# Altium PCB motordriver-v5.1_willem.PcbDoc (part 1 of 6) (continued)
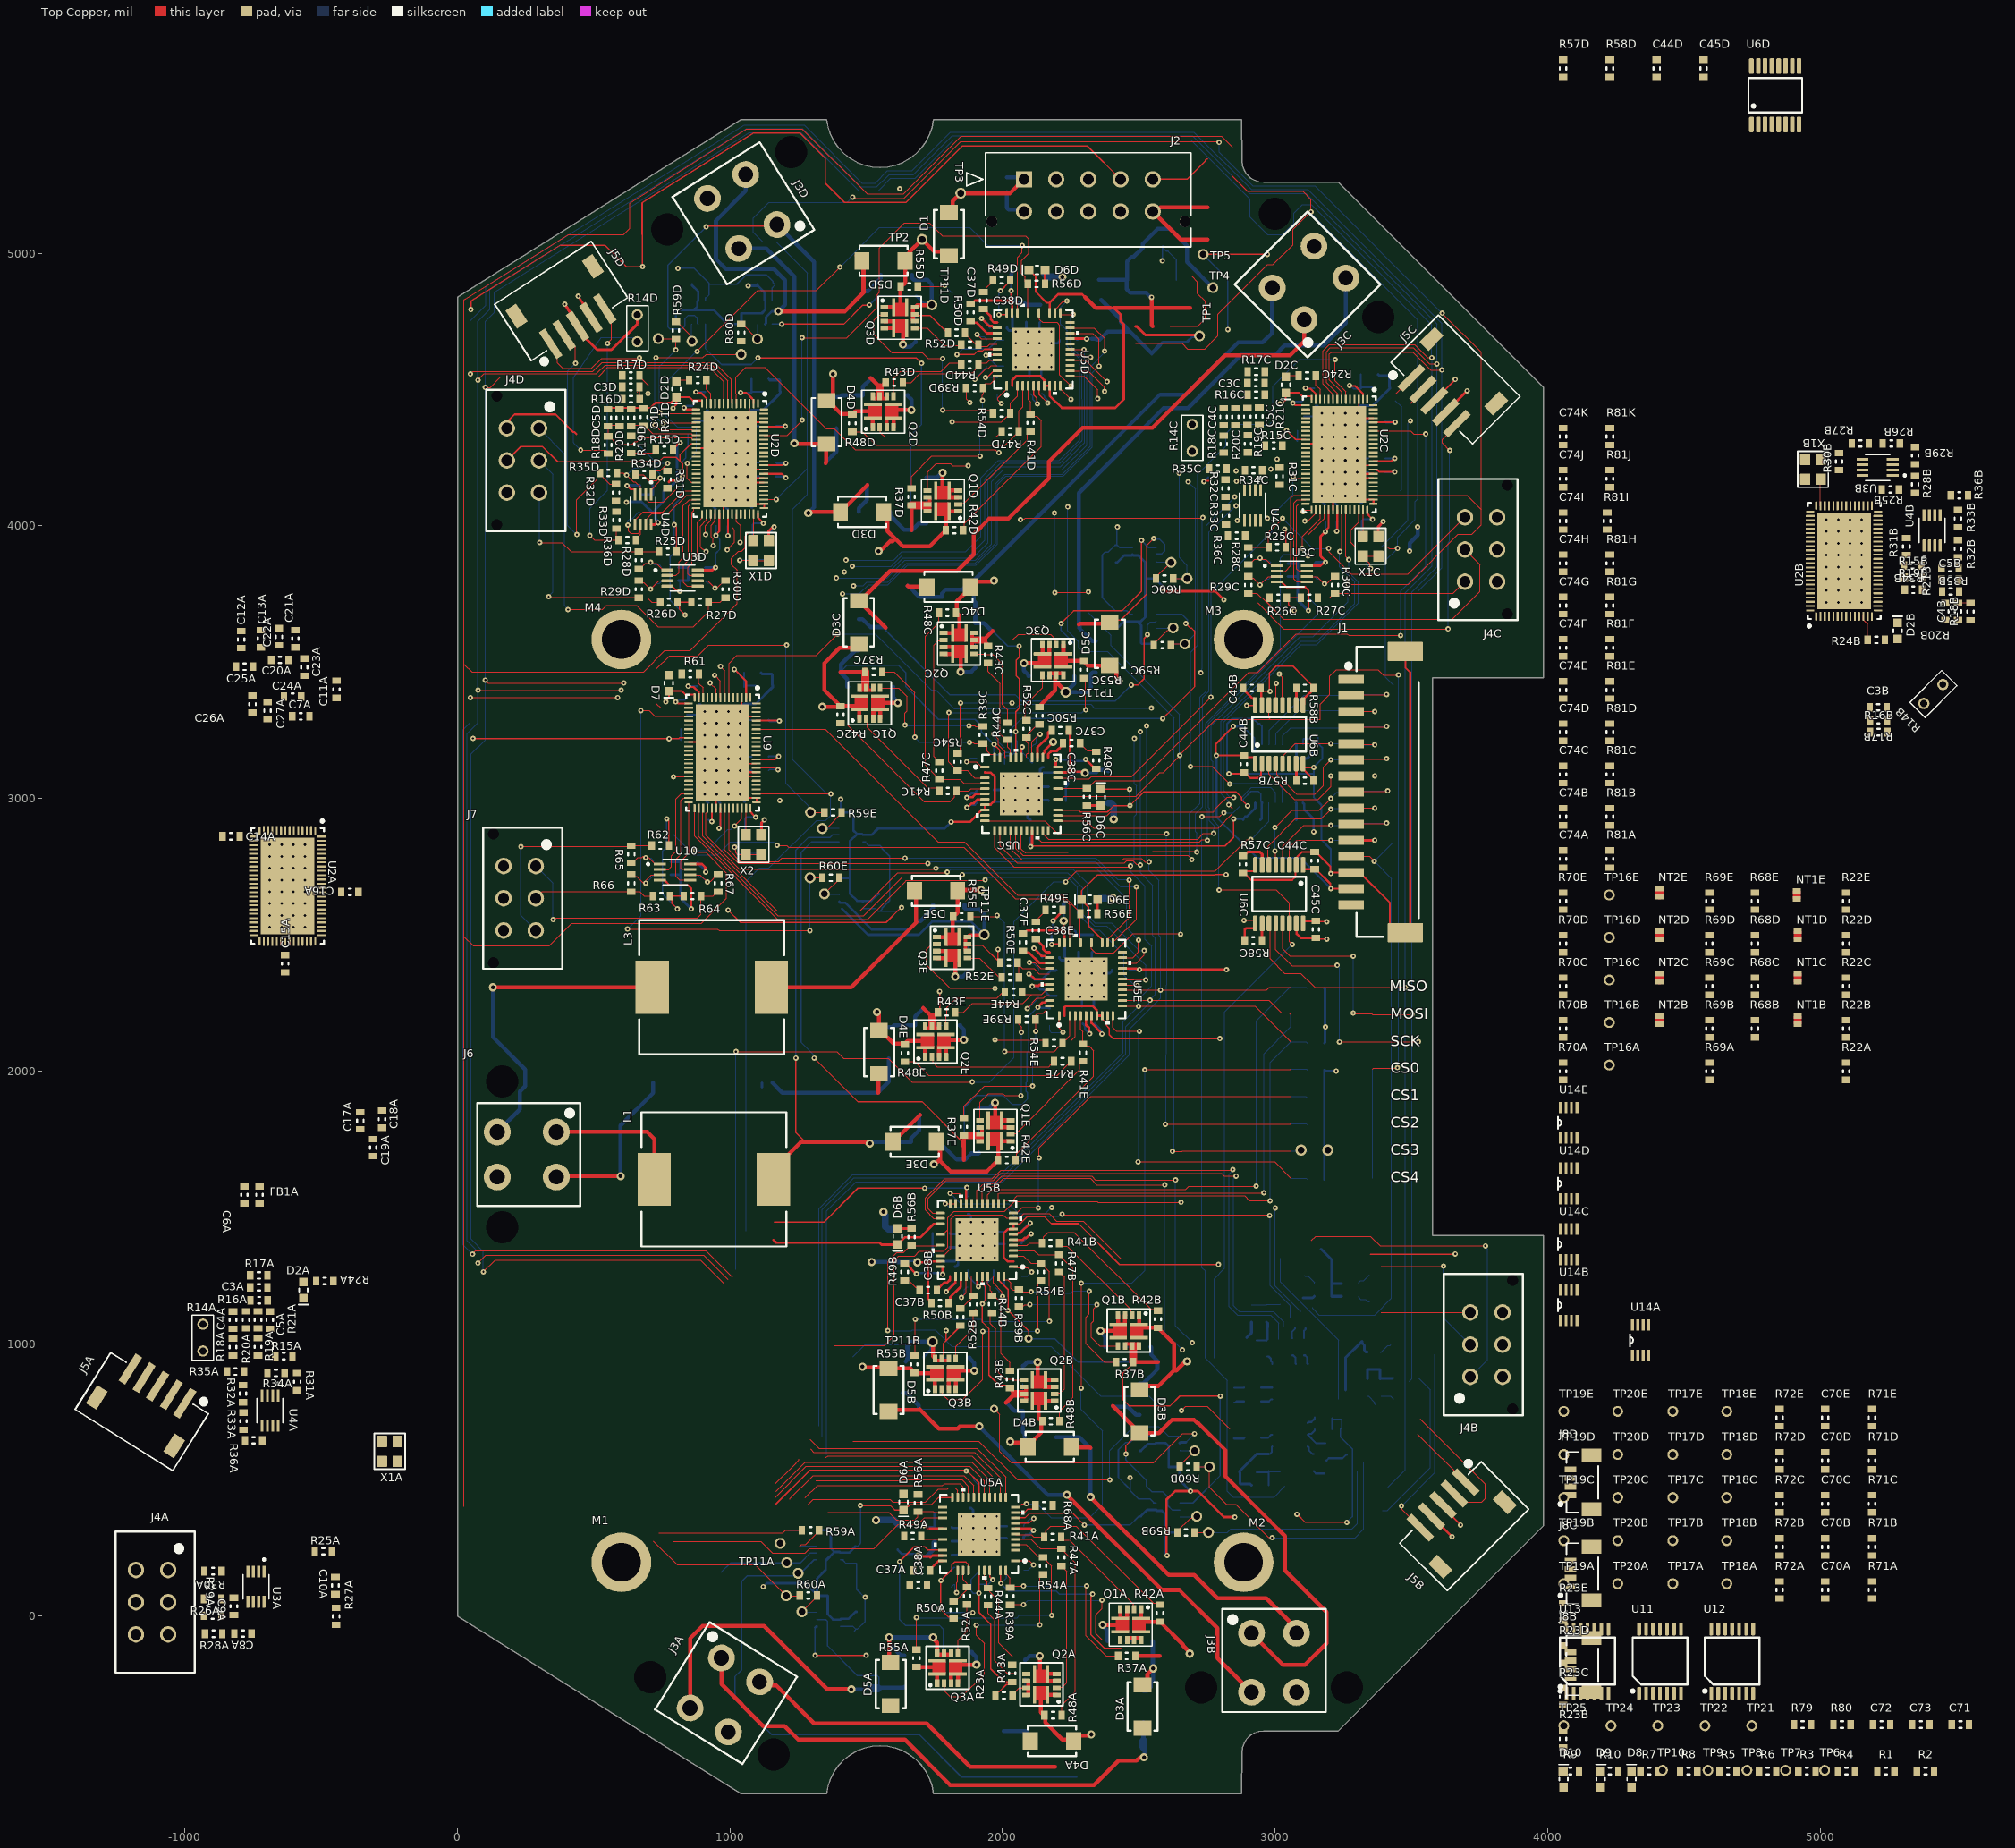
[diagram p0: Top Copper view]
## Design rules (kind name [scope] priority, off if disabled: settings) (continued)
RoomDefinition "Driver Power Stage 4" [InComponentClass('Driver Power Stage 4')] p18: confinementstyle=ConfineIn formatcopy=TRUE lockcomponents=FALSE outline 1468.5,1594.49 2519.68,1594.49 2519.68,2728.35 1468.5,2728.35
RoomDefinition "Current Amplification 3" [InComponentClass('Current Amplification 3')] p19: confinementstyle=ConfineIn formatcopy=TRUE lockcomponents=FALSE outline 1191.26,4917.84 1191.26,4602.88 766.06,4602.88 766.06,4917.84
RoomDefinition "Trinamic Controller 2" [InComponentClass('Trinamic Controller 2')] p20: confinementstyle=ConfineIn formatcopy=TRUE lockcomponents=FALSE outline 3460.63,4602.36 2744.09,4602.36 2744.09,3665.35 3460.63,3665.35
RoomDefinition "Trinamic Controller 1" [InComponentClass('Trinamic Controller 1')] p21: confinementstyle=ConfineIn formatcopy=TRUE lockcomponents=FALSE outline 2830.71,433.07 3547.24,433.07 3547.24,1370.08 2830.71,1370.08
RoomDefinition "Trinamic Controller 0" [InComponentClass('Trinamic Controller 0')] p22: confinementstyle=ConfineIn formatcopy=TRUE lockcomponents=FALSE outline 1224.41,1267.72 507.87,1267.72 507.87,330.71 1224.41,330.71
RoomDefinition "Driver Power Stage 0" [InComponentClass('Driver Power Stage 0')] p23: confinementstyle=ConfineIn formatcopy=TRUE lockcomponents=FALSE outline 2656.41,-536.5 2656.41,514.68 1522.55,514.68 1522.55,-536.5
RoomDefinition "Driver Power Stage 1" [InComponentClass('Driver Power Stage 1')] p24: confinementstyle=ConfineIn formatcopy=TRUE lockcomponents=FALSE outline 2648.54,542.24 2648.54,1593.42 1514.68,1593.42 1514.68,542.24
RoomDefinition "Driver Power Stage 2" [InComponentClass('Driver Power Stage 2')] p25: confinementstyle=ConfineIn formatcopy=TRUE lockcomponents=FALSE outline 1326.77,3854.33 1326.77,2803.15 2460.63,2803.15 2460.63,3854.33
RoomDefinition "LP Filter 8" [InComponentClass('LP Filter 8')] p26: confinementstyle=ConfineIn formatcopy=TRUE lockcomponents=FALSE outline 4032,4121 4032,3971 4339,3971 4339,4121
RoomDefinition "Current Amplification 0" [InComponentClass('Current Amplification 0')] p27: confinementstyle=ConfineIn formatcopy=TRUE lockcomponents=FALSE outline 1496.06,-74.8 1181.1,-74.8 1181.1,350.39 1496.06,350.39
RoomDefinition "Current Amplification 1" [InComponentClass('Current Amplification 1')] p28: confinementstyle=ConfineIn formatcopy=TRUE lockcomponents=FALSE outline 2472.44,696.85 2787.4,696.85 2787.4,271.65 2472.44,271.65
RoomDefinition "Current Amplification 2" [InComponentClass('Current Amplification 2')] p29: confinementstyle=ConfineIn formatcopy=TRUE lockcomponents=FALSE outline 2385.83,3956.69 2700.79,3956.69 2700.79,3531.5 2385.83,3531.5
RoomDefinition "Current Amplification 4" [InComponentClass('Current Amplification 4')] p30: confinementstyle=ConfineIn formatcopy=TRUE lockcomponents=FALSE outline 1578.74,2559.05 1263.78,2559.05 1263.78,2984.25 1578.74,2984.25
RoutingVias [All] p1: holewidth=19.68 width=39.37 viastyle="Through Hole" minholewidth=7.87 minwidth=17.72 maxholewidth=39.37 maxwidth=78.74
SilkToSilkClearance [All] p1: silktosilkclearance=3.94
SilkToSolderMaskClearance [IsPad] p1: minsilkscreentomaskgap=3.94 clearancetoexposedcopper=TRUE
SolderMaskExpansion [All] p1: expansion=4 istentingtop=FALSE
Width [All] p1: maxlimit=100 minlimit=3.5 preferedwidth=15
24 further rules are at their usual default settings.

## Classes and differential pairs
channel class trinamic-controller: "Trinamic Controller 0" "Trinamic Controller 1" "Trinamic Controller 2" "Trinamic Controller 3"
channel class low-pass-filter: "LP Filter 0" "LP Filter 1" "LP Filter 2" "LP Filter 3" "LP Filter 4" "LP Filter 5" "LP Filter 6" "LP Filter 7" "LP Filter 8" "LP Filter 9" "LP Filter 10"
channel class isolation: U_isolation_0 U_isolation_1 U_isolation_2 U_isolation_3
channel class driver-power-stage: "Driver Power Stage 0" "Driver Power Stage 1" "Driver Power Stage 2" "Driver Power Stage 3" "Driver Power Stage 4"
channel class demux: "Demux 0" "Demux 1" "Demux 2" "Demux 3" "Demux 4"
channel class current_amplification: "Current Amplification 0" "Current Amplification 1" "Current Amplification 2" "Current Amplification 3" "Current Amplification 4"
channel class connectors: "Connectors 0" "Connectors 1" "Connectors 2" "Connectors 3"
component class U_isolation_3: C44D C45D R57D R58D U6D
component class Power: C1 C2 D1 D8 D9 D10 J2 R11 R12 R13 TP6 TP7 TP8 TP9 TP10 U1
component class "LP Filter 10": C74K R81K
component class "LP Filter 9": C74J R81J
component class "LP Filter 8": C74I R81I
component class "LP Filter 7": C74H R81H
component class "LP Filter 6": C74G R81G
component class "LP Filter 5": C74F R81F
component class "LP Filter 4": C74E R81E
component class "LP Filter 3": C74D R81D
component class "LP Filter 2": C74C R81C
component class "LP Filter 1": C74B R81B
component class "LP Filter 0": C74A R81A
component class "Demux 4": U14E
component class "Demux 3": U14D
component class "Demux 2": U14C
component class "Demux 1": U14B
component class "Demux 0": U14A
net class HIGHFREQ: MOSI_ISO SCK_ISO UHA UHB UHC UHD UHE ULA ULB ULC ULD ULE VHB VHC VHD VHE VLA VLB VLC VLD VLE WHA WHB WHC WHD WHE WLA WLB WLC WLD WLE
net class Signals: 2.5V_REFA 2.5V_REFB 2.5V_REFC 2.5V_REFD 2.5V_REFE ADC_VM_E ADC_VMA ADC_VMB ADC_VMC ADC_VMD CHIP_TEMPA CHIP_TEMPB CHIP_TEMPC CHIP_TEMPD CHIP_TEMPE CLK_ENA CLK_ENB CLK_ENC CLK_END CLK_ENE CLKA CLKB CLKC CLKD CLKE CPI_CAPA CPI_CAPB CPI_CAPC CPI_CAPD CPI_CAPE CPIA CPIB CPIC CPID CPIE CPOA CPOB CPOC CPOD CPOE CS0 CS0_FILTER CS0_ISO CS1 CS1_FILTER CS1_ISO CS2 CS2_FILTER CS2_ISO CS3 CS3_FILTER CS3_ISO CS4 CS4_FILTER CS4_ISO CTRL_C\S\ CTRL_C\S\A CTRL_C\S\B CTRL_C\S\C CTRL_C\S\D CTRL_EN CTRL_EN_FILTER CTRL_EN_ISO CUA CUB CUC CUD CUE CUR_OUT1A CUR_OUT1B CUR_OUT1C CUR_OUT1D CUR_OUT1E CUR_OUT2A CUR_OUT2B CUR_OUT2C CUR_OUT2D CUR_OUT2E CUR_UA CUR_UB CUR_UC CUR_UD CUR_UE CUR_WA CUR_WB CUR_WC CUR_WD CUR_WE CVA CVB CVC CVD CVE CWA CWB CWC CWD CWE D\B\G\S\P\I\_\C\S\_E DBGSPI.DBGSPI_MISO DBGSPI.DBGSPI_MOSI DBGSPI.DBGSPI_SCK DBGSPI.DBGSPI_TRG DBGSPI.~DBGSPI_CS DBGSPI_MISO_E DBGSPI_MISOB DBGSPI_MISOC DBGSPI_MISOD DBGSPI_MOSI_E DBGSPI_MOSIB DBGSPI_MOSIC DBGSPI_MOSID DBGSPI_SCK_E DBGSPI_SCKB DBGSPI_SCKC DBGSPI_SCKD DBGSPI_TRG_E DBGSPI_TRGB DBGSPI_TRGC DBGSPI_TRGD DRB_TEMP DRV_C\S\A DRV_C\S\B DRV_C\S\C DRV_C\S\D DRV_C\S\E DRV_EN DRV_ENA DRV_ENB DRV_ENC DRV_END ENC_A_CTRLA ENC_A_CTRLB ENC_A_CTRLC ENC_A_CTRLD ENC_AA ENC_AB ENC_AC ENC_AD ENC_B_CTRLA ENC_B_CTRLB ENC_B_CTRLC ENC_B_CTRLD ENC_BA ENC_BB ENC_BC ENC_BD ENC_N_CTRLA ENC_N_CTRLB ENC_N_CTRLC ENC_N_CTRLD ENC_TRIG1A ENC_TRIG1B ENC_TRIG1C ENC_TRIG1D ENC_TRIG2A ENC_TRIG2B ENC_TRIG2C ENC_TRIG2D ENC_TRIG3A ENC_TRIG3B ENC_TRIG3C ENC_TRIG3D ENCA_N ENCB_N ENCC_N ENCD_N FAULT FAULTA FAULTB FAULTC FAULTD HALL_TRIG1A HALL_TRIG1B HALL_TRIG1C HALL_TRIG1D HALL_TRIG1E HALL_TRIG2A HALL_TRIG2B HALL_TRIG2C HALL_TRIG2D HALL_TRIG2E HALL_TRIG3A HALL_TRIG3B HALL_TRIG3C HALL_TRIG3D HALL_TRIG3E HALL_UX4 HALL_UX_CTRL_E HALL_UX_CTRLA HALL_UX_CTRLB HALL_UX_CTRLC HALL_UX_CTRLD HALL_UXA HALL_UXB HALL_UXC HALL_UXD HALL_V4 HALL_V_CTLR_E HALL_V_CTLRA HALL_V_CTLRB HALL_V_CTLRC HALL_V_CTLRD HALL_VA HALL_VB HALL_VC HALL_VD HALL_WY4 HALL_WY_CTRL_E HALL_WY_CTRLA HALL_WY_CTRLB HALL_WY_CTRLC HALL_WY_CTRLD HALL_WYA HALL_WYB HALL_WYC HALL_WYD HSG1A HSG1B HSG1C HSG1D HSG1E HSG2A HSG2B HSG2C HSG2D HSG2E HSG3A HSG3B HSG3C HSG3D HSG3E HSUA HSUB HSUC HSUD HSUE HSVA HSVB HSVC HSVD HSVE HSWA HSWB HSWC HSWD HSWE LED LEDA LEDB LEDC LEDD LSG1A LSG1B LSG1C LSG1D LSG1E LSG2A LSG2B LSG2C LSG2D LSG2E LSG3A LSG3B LSG3C LSG3D LSG3E LSUA LSUB LSUC LSUD LSUE LSVA LSVB LSVC LSVD LSVE LSWA LSWB LSWC LSWD LSWE MISO MISO_CTRL0 MISO_CTRL1 MISO_CTRL2 MISO_CTRL3 MISO_CTRL4 MISO_DRV0 MISO_DRV1 MISO_DRV2 MISO_DRV3 MISO_DRV4 MISO_FILTER MISO_ISO MOSI MOSI_FILTER MOSI_ISO MOTOR_TEMPA MOTOR_TEMPB MOTOR_TEMPC MOTOR_TEMPD MUX_SEL_0 MUX_SEL_1 MUX_SEL_FILTER_0 MUX_SEL_FILTER_1 MUX_SEL_ISO_0 MUX_SEL_ISO_1 OUT2E OUT3D OUT4B OUT4C OUT4D SCK_FILTER SCK_ISO SNUB1A SNUB1B SNUB1C SNUB1D SNUB1E SNUB2A SNUB2B SNUB2C SNUB2D SNUB2E SNUB3A SNUB3B SNUB3C SNUB3D SNUB3E SPEA SPEB SPEC SPED SPEE STATUSA STATUSB STATUSC STATUSD STATUSE U_FBKA U_FBKB U_FBKC U_FBKD U_FBKE U_SENSEA_N U_SENSEA_P U_SENSEB_N U_SENSEB_P U_SENSEC_N U_SENSEC_P U_SENSED_N U_SENSED_P U_SENSEE_N U_SENSEE_P UHA UHB UHC UHD UHE ULA ULB ULC ULD ULE V_FBKA V_FBKB V_FBKC V_FBKD V_FBKE V_SENSEA V_SENSEB V_SENSEC V_SENSED V_SENSEE VCCCORE1A VCCCORE1B VCCCORE1C VCCCORE1D VCCCORE1E VCCCORE2A VCCCORE2B VCCCORE2C VCCCORE2D VCCCORE2E VCCCORE3A VCCCORE3B VCCCORE3C VCCCORE3D VCCCORE3E VCPA VCPB VCPC VCPD VCPE VHA VHB VHC VHD VHE VLA VLB VLC VLD VLE W_FBKA W_FBKB W_FBKC W_FBKD W_FBKE W_SENSEA_N W_SENSEA_P W_SENSEB_N W_SENSEB_P W_SENSEC_N W_SENSEC_P W_SENSED_N W_SENSED_P W_SENSEE_N W_SENSEE_P WHA WHB WHC WHD WHE WLA WLB WLC WLD WLE ~DBGSPI_CSB ~DBGSPI_CSC ~DBGSPI_CSD ~ENC_CS0 ~ENC_CS1 ~ENC_CS2 ~ENC_CS3 ~RST ~RST_ISO
net class PGND: PGND
net class 5V: 5V
net class VDD: 5V 5VOUTA 5VOUTB 5VOUTC 5VOUTD 5VOUTE 12VOUTA 12VOUTB 12VOUTC 12VOUTD 12VOUTE GND VDD
net class VCC: PGND U UA UB UC UD V VA VB VC VCC VD W WA WB WC WD
component class "Trinamic Controller 4": C12E C18E C19E C20E C52 C53 C54 C55 C56 C57 C58 C59 C60 C61 C62 C63 C64 C65 C66 C67 C68 C69 C71 C72 C73 D7 FB2 R34E R35E R36E R61 R62 R63 R64 R65 R66 R67 R73 R74 R75 R76 R77 R78 R79 R80 TP21 TP22 TP23 TP24 TP25 U4E U9 U10 X2
component class "Trinamic Controller 3": C3D C4D C5D C6D C7D C8D C9D C10D C11D C12D C13D C14D C15D C16D C17D C18D C19D C20D C21D C22D C23D C24D C25D C26D C27D D2D FB1D R14D R15D R16D R17D R18D R19D R20D R21D R24D R25D R26D R27D R28D R29D R30D R31D R32D R33D R34D R35D R36D U2D U3D U4D X1D
component class "Trinamic Controller 2": C3C C4C C5C C6C C7C C8C C9C C10C C11C C12C C13C C14C C15C C16C C17C C18C C19C C20C C21C C22C C23C C24C C25C C26C C27C D2C FB1C R14C R15C R16C R17C R18C R19C R20C R21C R24C R25C R26C R27C R28C R29C R30C R31C R32C R33C R34C R35C R36C U2C U3C U4C X1C
component class "Trinamic Controller 1": C3B C4B C5B C6B C7B C8B C9B C10B C11B C12B C13B C14B C15B C16B C17B C18B C19B C20B C21B C22B C23B C24B C25B C26B C27B D2B FB1B R14B R15B R16B R17B R18B R19B R20B R21B R24B R25B R26B R27B R28B R29B R30B R31B R32B R33B R34B R35B R36B U2B U3B U4B X1B
component class "Trinamic Controller 0": C3A C4A C5A C6A C7A C8A C9A C10A C11A C12A C13A C14A C15A C16A C17A C18A C19A C20A C21A C22A C23A C24A C25A C26A C27A D2A FB1A R14A R15A R16A R17A R18A R19A R20A R21A R24A R25A R26A R27A R28A R29A R30A R31A R32A R33A R34A R35A R36A U2A U3A U4A X1A
component class U_isolation_2: C44C C45C R57C R58C U6C
component class U_isolation_1: C44B C45B R57B R58B U6B
component class U_isolation_0: C44A C45A R57A R58A U6A
component class "Driver Power Stage 4": C28E C29E C30E C31E C32E C33E C34E C35E C36E C37E C38E C39E C40E C41E C42E C43E D3E D4E D5E D6E NT1E NT2E Q1E Q2E Q3E R22E R23E R37E R38E R39E R40E R41E R42E R43E R44E R45E R46E R47E R48E R49E R50E R51E R52E R53E R54E R55E R56E R68E R69E R70E TP11E TP12E TP13E TP14E TP15E TP16E U5E
component class "Driver Power Stage 3": C28D C29D C30D C31D C32D C33D C34D C35D C36D C37D C38D C39D C40D C41D C42D C43D D3D D4D D5D D6D NT1D NT2D Q1D Q2D Q3D R22D R23D R37D R38D R39D R40D R41D R42D R43D R44D R45D R46D R47D R48D R49D R50D R51D R52D R53D R54D R55D R56D R68D R69D R70D TP11D TP12D TP13D TP14D TP15D TP16D U5D
component class "Driver Power Stage 2": C28C C29C C30C C31C C32C C33C C34C C35C C36C C37C C38C C39C C40C C41C C42C C43C D3C D4C D5C D6C NT1C NT2C Q1C Q2C Q3C R22C R23C R37C R38C R39C R40C R41C R42C R43C R44C R45C R46C R47C R48C R49C R50C R51C R52C R53C R54C R55C R56C R68C R69C R70C TP11C TP12C TP13C TP14C TP15C TP16C U5C
component class "Driver Power Stage 1": C28B C29B C30B C31B C32B C33B C34B C35B C36B C37B C38B C39B C40B C41B C42B C43B D3B D4B D5B D6B NT1B NT2B Q1B Q2B Q3B R22B R23B R37B R38B R39B R40B R41B R42B R43B R44B R45B R46B R47B R48B R49B R50B R51B R52B R53B R54B R55B R56B R68B R69B R70B TP11B TP12B TP13B TP14B TP15B TP16B U5B
component class "Driver Power Stage 0": C28A C29A C30A C31A C33A C34A C35A C36A C37A C38A C39A C40A C41A C42A C43A D3A D4A D5A D6A NT1A NT2A Q1A Q2A Q3A R22A R23A R37A R38A R39A R40A R41A R42A R43A R44A R45A R46A R47A R48A R49A R50A R51A R52A R53A R54A R55A R56A R68A R69A R70A TP12A TP13A TP14A TP15A TP16A U5A
component class "Current Amplification 4": C46E C47E C48E C49E C50E C51E C70E R59E R60E R71E R72E TP17E TP18E TP19E TP20E U7E U8E
component class "Current Amplification 3": C46D C47D C48D C49D C50D C51D C70D R59D R60D R71D R72D TP17D TP18D TP19D TP20D U7D U8D
component class "Current Amplification 2": C46C C47C C48C C49C C50C C51C C70C R59C R60C R71C R72C TP17C TP18C TP19C TP20C U7C U8C
component class "Current Amplification 1": C46B C47B C48B C49B C50B C51B C70B R59B R60B R71B R72B TP17B TP18B TP19B TP20B U7B U8B
component class "Current Amplification 0": C46A C47A C48A C49A C50A C51A C70A R59A R60A R71A R72A TP17A TP18A TP19A TP20A U7A U8A
component class "Connectors 3": J3D J4D J5D J8D
component class "Connectors 2": J3C J4C J5C J8C
component class "Connectors 1": J3B J4B J5B J8B
component class "Connectors 0": J3A J4A J5A J8A
component class UI-JETSON-NANO: J1 M2 M3 M4 R1 R2 R3 R4 R5 R6 R7 R8 R9 R10 TP1 TP2 TP3 TP4 TP5 U11 U12 U13
component class "Connectors 4": J6 J7 L1 L2 L3
differential pair W_SENSEE: +W_SENSEE_P -W_SENSEE_N
differential pair W_SENSED: +W_SENSED_P -W_SENSED_N
differential pair W_SENSEC: +W_SENSEC_P -W_SENSEC_N
differential pair W_SENSEB: +W_SENSEB_P -W_SENSEB_N
differential pair W_SENSEA: +W_SENSEA_P -W_SENSEA_N
differential pair U_SENSEE: +U_SENSEE_P -U_SENSEE_N
differential pair U_SENSED: +U_SENSED_P -U_SENSED_N
differential pair U_SENSEC: +U_SENSEC_P -U_SENSEC_N
differential pair U_SENSEB: +U_SENSEB_P -U_SENSEB_N
differential pair U_SENSEA: +U_SENSEA_P -U_SENSEA_N

## Components (designator, comment, footprint, x,y, rotation, side; value= is the part's Value field where it differs from the comment)
C1 "10uF 35V" 0805 2551.18,5027.56 r0 bottom value=10uF
C2 "10uF 35V" 0805 2354.33,4866.14 r270 bottom value=10uF
C3A "100nF 50V" 0603 -728.9,1206 r0 top value=100nF (schematic designator C3)
C3B "100nF 50V" 0603 5213,3334.38 r0 top value=100nF (schematic designator C3)
C3C "100nF 50V" 0603 2930,4524 r0 top value=100nF (schematic designator C3)
C3D "100nF 50V" 0603 636,4510 r0 top value=100nF (schematic designator C3)
C4A "100nF 50V" 0603 -823.9,1086 r270 top value=100nF (schematic designator C4)
C4B "100nF 50V" 0603 5506,3686.38 r90 top value=100nF (schematic designator C4)
C4C "100nF 50V" 0603 2811,4400 r270 top value=100nF (schematic designator C4)
C4D "100nF 50V" 0603 552,4397 r270 top value=100nF (schematic designator C4)
C5A "100nF 50V" 0603 -731.9,1087 r270 top value=100nF (schematic designator C5)
C5B "100nF 50V" 0603 5477,3801.38 r0 top value=100nF (schematic designator C5)
C5C "100nF 50V" 0603 2898,4401 r270 top value=100nF (schematic designator C5)
C5D "100nF 50V" 0603 637,4397 r270 top value=100nF (schematic designator C5)
C6A "100nF 50V" 0603 -781.83,1545.55 r270 top value=100nF (schematic designator C6)
C6B "100nF 50V" 0603 4946.39,4207.62 r90 bottom value=100nF (schematic designator C6)
C6C "100nF 50V" 0603 3377.95,3925.2 r270 bottom value=100nF (schematic designator C6)
C6D "100nF 50V" 0603 1141.73,3909.45 r270 bottom value=100nF (schematic designator C6)
C7A "100nF 50V" 0603 -575,3301 r180 top value=100nF (schematic designator C7)
C7B "100nF 50V" 0603 5186.07,4194.17 r180 bottom value=100nF (schematic designator C7)
C7C "100nF 50V" 0603 3114.17,3862.2 r0 bottom value=100nF (schematic designator C7)
C7D "100nF 50V" 0603 877.95,3846.46 r0 bottom value=100nF (schematic designator C7)
C8A "1000pF 50V" 0603 -787,-64 r180 top value=1000pF (schematic designator C8)
C8B "1000pF 50V" 0603 5285.59,4193.61 r0 bottom value=1000pF (schematic designator C8)
C8C "1000pF 50V" 0603 3015.75,3862.2 r180 bottom value=1000pF (schematic designator C8)
C8D "1000pF 50V" 0603 779.53,3846.46 r180 bottom value=1000pF (schematic designator C8)
C9A "1000pF 50V" 0603 -820.41,36 r270 top value=1000pF (schematic designator C9)
C9B "1000pF 50V" 0603 5285.59,4240.85 r0 bottom value=1000pF (schematic designator C9)
C9C "1000pF 50V" 0603 3015.75,3814.96 r180 bottom value=1000pF (schematic designator C9)
C9D "1000pF 50V" 0603 779.53,3799.21 r180 bottom value=1000pF (schematic designator C9)
C10A "1000pF 50V" 0603 -448,112 r90 top value=1000pF (schematic designator C10)
C10B "1000pF 50V" 0603 5186.03,4241.09 r180 bottom value=1000pF (schematic designator C10)
C10C "1000pF 50V" 0603 3114.17,3814.96 r0 bottom value=1000pF (schematic designator C10)
C10D "1000pF 50V" 0603 877.95,3799.21 r0 bottom value=1000pF (schematic designator C10)
C11A "100nF 50V" 0603 -444,3400 r270 top value=100nF (schematic designator C11)
C11B "100nF 50V" 0603 5371.58,4034.39 r90 bottom value=100nF (schematic designator C11)
C11C "100nF 50V" 0603 2952.76,4098.43 r270 bottom value=100nF (schematic designator C11)
C11D "100nF 50V" 0603 716.54,4082.68 r270 bottom value=100nF (schematic designator C11)
C12A "4.7uF 16V" 0603 -794,3583 r90 top value=4.7uF (schematic designator C12)
C12B "4.7uF 16V" 0603 5210.17,3782.42 r0 bottom value=4.7uF (schematic designator C12)
C12C "4.7uF 16V" 0603 3114.17,4350.39 r180 bottom value=4.7uF (schematic designator C12)
C12D "4.7uF 16V" 0603 877.95,4334.65 r180 bottom value=4.7uF (schematic designator C12)
C13A "100nF 50V" 0603 -721,3586 r90 top value=100nF (schematic designator C13)
C13B "100nF 50V" 0603 5210.17,3825.73 r0 bottom value=100nF (schematic designator C13)
C13C "100nF 50V" 0603 3114.17,4307.09 r180 bottom value=100nF (schematic designator C13)
C13D "100nF 50V" 0603 877.95,4291.34 r180 bottom value=100nF (schematic designator C13)
C14A "100nF 50V" 0603 -831,2861 r0 top value=100nF (schematic designator C14)
C14B "100nF 50V" 0603 5218.04,3699.74 r270 bottom value=100nF (schematic designator C14)
C14C "100nF 50V" 0603 3106.3,4433.07 r90 bottom value=100nF (schematic designator C14)
C14D "100nF 50V" 0603 870.08,4417.32 r90 bottom value=100nF (schematic designator C14)
C15A "100nF 50V" 0603 -632,2394 r90 top value=100nF (schematic designator C15)
C15B "100nF 50V" 0603 5095.99,4085.57 r90 bottom value=100nF (schematic designator C15)
C15C "100nF 50V" 0603 3228.35,4047.24 r270 bottom value=100nF (schematic designator C15)
C15D "100nF 50V" 0603 992.13,4031.5 r270 bottom value=100nF (schematic designator C15)
C16A "100nF 50V" 0603 -395,2657 r180 top value=100nF (schematic designator C16)
C16B "100nF 50V" 0603 4950.32,3884.78 r180 bottom value=100nF (schematic designator C16)
C16C "100nF 50V" 0603 3374.02,4248.03 r0 bottom value=100nF (schematic designator C16)
C16D "100nF 50V" 0603 1137.8,4232.28 r0 bottom value=100nF (schematic designator C16)
C17A "100pF 50V" 0603 -356.63,1817.2 r90 top value=100pF (schematic designator C17)
C17B "100pF 50V" 0603 5371.58,3935.96 r270 bottom value=100pF (schematic designator C17)
C17C "100pF 50V" 0603 2952.76,4196.85 r90 bottom value=100pF (schematic designator C17)
C17D "100pF 50V" 0603 716.54,4181.1 r90 bottom value=100pF (schematic designator C17)
C18A "100pF 50V" 0603 -277,1823.28 r90 top value=100pF (schematic designator C18)
C18B "100pF 50V" 0603 5418.83,3935.96 r270 bottom value=100pF (schematic designator C18)
C18C "100pF 50V" 0603 2905.51,4196.85 r90 bottom value=100pF (schematic designator C18)
C18D "100pF 50V" 0603 669.29,4181.1 r90 bottom value=100pF (schematic designator C18)
C19A "100pF 50V" 0603 -309.39,1718.78 r270 top value=100pF (schematic designator C19)
C19B "100pF 50V" 0603 5418.83,4034.39 r90 bottom value=100pF (schematic designator C19)
C19C "100pF 50V" 0603 2905.51,4098.43 r270 bottom value=100pF (schematic designator C19)
C19D "100pF 50V" 0603 669.29,4082.68 r270 bottom value=100pF (schematic designator C19)
C20A "4.7uF 16V" 0603 -652,3508.08 r0 top value=4.7uF (schematic designator C20)
C20B "4.7uF 16V" 0603 4934.57,3624.94 r0 bottom value=4.7uF (schematic designator C20)
C20C "4.7uF 16V" 0603 3389.76,4507.87 r180 bottom value=4.7uF (schematic designator C20)
C20D "4.7uF 16V" 0603 1153.54,4492.13 r180 bottom value=4.7uF (schematic designator C20)
C21A "470nF 50V" 0603 -595,3586 r90 top value=470nF (schematic designator C21)
C21B "470nF 50V" 0603 4977.88,3577.69 r0 bottom value=470nF (schematic designator C21)
C21C "470nF 50V" 0603 3346.46,4555.12 r180 bottom value=470nF (schematic designator C21)
C21D "470nF 50V" 0603 1110.24,4539.37 r180 bottom value=470nF (schematic designator C21)
C22A "100nF 50V" 0603 -655,3593 r90 top value=100nF (schematic designator C22)
C22B "100nF 50V" 0603 5174.73,3660.37 r270 bottom value=100nF (schematic designator C22)
C22C "100nF 50V" 0603 3149.61,4472.44 r90 bottom value=100nF (schematic designator C22)
C22D "100nF 50V" 0603 913.39,4456.69 r90 bottom value=100nF (schematic designator C22)
C23A "100nF 50V" 0603 -562,3481.5 r90 top value=100nF (schematic designator C23)
C23B "100nF 50V" 0603 5009.38,3660.37 r270 bottom value=100nF (schematic designator C23)
C23C "100nF 50V" 0603 3314.96,4472.44 r90 bottom value=100nF (schematic designator C23)
C23D "100nF 50V" 0603 1078.74,4456.69 r90 bottom value=100nF (schematic designator C23)
C24A "100nF 50V" 0603 -605,3374 r180 top value=100nF (schematic designator C24)
C24B "100nF 50V" 0603 4950.32,3750.92 r180 bottom value=100nF (schematic designator C24)
C24C "100nF 50V" 0603 3374.02,4381.89 r0 bottom value=100nF (schematic designator C24)
C24D "100nF 50V" 0603 1137.8,4366.14 r0 bottom value=100nF (schematic designator C24)
C25A "100nF 50V" 0603 -781,3483 r180 top value=100nF (schematic designator C25)
C25B "100nF 50V" 0603 4950.32,3935.96 r180 bottom value=100nF (schematic designator C25)
C25C "100nF 50V" 0603 3374.02,4196.85 r0 bottom value=100nF (schematic designator C25)
C25D "100nF 50V" 0603 1137.8,4181.1 r0 bottom value=100nF (schematic designator C25)
C26A "100nF 50V" 0603 -752,3346 r270 top value=100nF (schematic designator C26)
C26B "100nF 50V" 0603 5005.44,4081.63 r90 bottom value=100nF (schematic designator C26)
C26C "100nF 50V" 0603 3318.9,4051.18 r270 bottom value=100nF (schematic designator C26)
C26D "100nF 50V" 0603 1082.68,4035.43 r270 bottom value=100nF (schematic designator C26)
C27A "100nF 50V" 0603 -697,3322 r270 top value=100nF (schematic designator C27)
C27B "100nF 50V" 0603 5139.3,4085.57 r90 bottom value=100nF (schematic designator C27)
C27C "100nF 50V" 0603 3185.04,4047.24 r270 bottom value=100nF (schematic designator C27)
C27D "100nF 50V" 0603 948.82,4031.5 r270 bottom value=100nF (schematic designator C27)
C28A "1600pF 50V" 0603 2518.62,-91.62 r0 bottom value=1600pF (schematic designator C28)
C28B "1600pF 50V" 0603 2510.74,987.12 r0 bottom value=1600pF (schematic designator C28)
C28C "1600pF 50V" 0603 1464.57,3409.45 r180 bottom value=1600pF (schematic designator C28)
C28D "1600pF 50V" 0603 1721.06,4043.31 r270 bottom value=1600pF (schematic designator C28)
C28E "1600pF 50V" 0603 1913.38,1732.28 r270 bottom value=1600pF (schematic designator C28)
C29A "100nF 50V" 0603 1782.4,325.7 r0 bottom value=100nF (schematic designator C29)
C29B "100nF 50V" 0603 1774.52,1404.44 r0 bottom value=100nF (schematic designator C29)
C29C "100nF 50V" 0603 2200.79,2992.13 r180 bottom value=100nF (schematic designator C29)
C29D "100nF 50V" 0603 2138.39,4779.53 r270 bottom value=100nF (schematic designator C29)
C29E "100nF 50V" 0603 2330.71,2468.5 r270 bottom value=100nF (schematic designator C29)
C30A "470nF 50V" 0603 1782.4,274.52 r0 bottom value=470nF (schematic designator C30)
C30B "470nF 50V" 0603 1774.52,1353.26 r0 bottom value=470nF (schematic designator C30)
C30C "470nF 50V" 0603 2200.79,3043.31 r180 bottom value=470nF (schematic designator C30)
C30D "470nF 50V" 0603 2087.2,4779.53 r270 bottom value=470nF (schematic designator C30)
C30E "470nF 50V" 0603 2279.53,2468.5 r270 bottom value=470nF (schematic designator C30)
C31A "470nF 50V" 0603 2046.18,168.22 r180 bottom value=470nF (schematic designator C31)
C31B "470nF 50V" 0603 2038.3,1246.96 r180 bottom value=470nF (schematic designator C31)
C31C "470nF 50V" 0603 1937.01,3149.61 r0 bottom value=470nF (schematic designator C31)
C31D "470nF 50V" 0603 1980.91,4515.75 r90 bottom value=470nF (schematic designator C31)
C31E "470nF 50V" 0603 2172.54,2198.47 r90 bottom value=470nF (schematic designator C31)
C32A "470nF 50V" 0603 1915,147.5 r90 bottom value=470nF (schematic designator C32)
C32B "470nF 50V" 0603 1967.44,1239.09 r90 bottom value=470nF (schematic designator C32)
C32C "470nF 50V" 0603 2007.87,3157.48 r270 bottom value=470nF (schematic designator C32)
C32D "470nF 50V" 0603 1973.03,4586.61 r0 bottom value=470nF (schematic designator C32)
C32E "470nF 50V" 0603 2163.01,2271.95 r0 bottom value=470nF (schematic designator C32)
C33A "1600pF 50V" 0603 2082.99,-296.74 r270 bottom value=1600pF (schematic designator C33)
C33B "1600pF 50V" 0603 2075.11,782 r270 bottom value=1600pF (schematic designator C33)
C33C "1600pF 50V" 0603 1900.2,3614.57 r90 bottom value=1600pF (schematic designator C33)
C33D "1600pF 50V" 0603 1515.94,4478.94 r180 bottom value=1600pF (schematic designator C33)
C33E "1600pF 50V" 0603 1708.27,2167.91 r180 bottom value=1600pF (schematic designator C33)
C34A "10uF 50V" 0805 1615.11,280.31 r270 bottom value=10uF (schematic designator C34)
C34B "10uF 50V" 0805 1611.05,1360.96 r270 bottom value=10uF (schematic designator C34)
C34C "10uF 50V" 0805 2388.13,3041.04 r90 bottom value=10uF (schematic designator C34)
C34D "10uF 50V" 0805 2095.08,4933.07 r180 bottom value=10uF (schematic designator C34)
C34E "10uF 50V" 0805 2287.4,2622.05 r180 bottom value=10uF (schematic designator C34)
C35A "2.2uF 35V" 0603 2046.18,286.33 r0 bottom value=2.2uF (schematic designator C35)
C35B "2.2uF 35V" 0603 2038.3,1365.07 r0 bottom value=2.2uF (schematic designator C35)
C35C "2.2uF 35V" 0603 1937.01,3031.5 r180 bottom value=2.2uF (schematic designator C35)
C35D "2.2uF 35V" 0603 2099.02,4515.75 r270 bottom value=2.2uF (schematic designator C35)
C35E "2.2uF 35V" 0603 2291.34,2204.73 r270 bottom value=2.2uF (schematic designator C35)
C36A "2.2uF 35V" 0603 2046.18,329.64 r0 bottom value=2.2uF (schematic designator C36)
C36B "2.2uF 35V" 0603 2038.3,1408.38 r0 bottom value=2.2uF (schematic designator C36)
C36C "2.2uF 35V" 0603 1937.01,2988.19 r180 bottom value=2.2uF (schematic designator C36)
C36D "2.2uF 35V" 0603 2142.32,4515.75 r270 bottom value=2.2uF (schematic designator C36)
C36E "2.2uF 35V" 0603 2334.64,2204.73 r270 bottom value=2.2uF (schematic designator C36)
C37A "100nF 50V" 0603 1702.5,167 r180 top value=100nF (schematic designator C37)
C37B "100nF 50V" 0603 1770.58,1148.54 r180 top value=100nF (schematic designator C37)
C37C "100nF 50V" 0603 2211.94,3249.89 r0 top value=100nF (schematic designator C37)
C37D "100nF 50V" 0603 1882.48,4783.46 r90 top value=100nF (schematic designator C37)
C37E "100nF 50V" 0603 2074.8,2472.44 r90 top value=100nF (schematic designator C37)
C38A "1600pF 50V" 0603 1691,113 r180 top value=1600pF (schematic designator C38)
C38B "1600pF 50V" 0603 1727.28,1195.78 r180 top value=1600pF (schematic designator C38)
C38C "1600pF 50V" 0603 2253.16,3203.51 r0 top value=1600pF (schematic designator C38)
C38D "1600pF 50V" 0603 1929.72,4826.77 r90 top value=1600pF (schematic designator C38)
C38E "1600pF 50V" 0603 2122.05,2515.75 r90 top value=1600pF (schematic designator C38)
C39A "0.022uF 35V" 0603 1750.9,-130.99 r180 bottom value=0.022uF (schematic designator C39)
C39B "0.022uF 35V" 0603 1743.03,947.75 r180 bottom value=0.022uF (schematic designator C39)
C39C "0.022uF 35V" 0603 2232.28,3448.82 r0 bottom value=0.022uF (schematic designator C39)
C39D "0.022uF 35V" 0603 1681.69,4811.02 r90 bottom value=0.022uF (schematic designator C39)
C39E "0.022uF 35V" 0603 1874.01,2500 r90 bottom value=0.022uF (schematic designator C39)
C40A "470nF 50V" 0603 1826,147.5 r90 bottom value=470nF (schematic designator C40)
C40B "470nF 50V" 0603 1872.95,1239.09 r90 bottom value=470nF (schematic designator C40)
C40C "470nF 50V" 0603 2110.57,3162.21 r270 bottom value=470nF (schematic designator C40)
C40D "470nF 50V" 0603 1973.03,4681.1 r0 bottom value=470nF (schematic designator C40)
C40E "470nF 50V" 0603 2165.35,2370.08 r0 bottom value=470nF (schematic designator C40)
C41A "100nF 50V" 0603 1782.5,224 r0 bottom value=100nF (schematic designator C41)
C41B "100nF 50V" 0603 1825.7,1250.9 r90 bottom value=100nF (schematic designator C41)
C41C "100nF 50V" 0603 2153.91,3147.29 r270 bottom value=100nF (schematic designator C41)
C41D "100nF 50V" 0603 1984.84,4728.35 r0 bottom value=100nF (schematic designator C41)
C41E "100nF 50V" 0603 2177.16,2417.32 r0 bottom value=100nF (schematic designator C41)
C42A "100nF 50V" 0603 1782,377 r0 bottom value=100nF (schematic designator C42)
C42B "100nF 50V" 0603 1752.71,1302.08 r0 bottom value=100nF (schematic designator C42)
C42C "100nF 50V" 0603 2231.75,3095.02 r180 bottom value=100nF (schematic designator C42)
C42D "100nF 50V" 0603 2036.02,4801.34 r270 bottom value=100nF (schematic designator C42)
C42E "100nF 50V" 0603 2228.35,2490.32 r270 bottom value=100nF (schematic designator C42)
C43A "100nF 50V" 0603 1933.75,442.19 r270 bottom value=100nF (schematic designator C43)
C43B "100nF 50V" 0603 1872.95,1506.81 r270 bottom value=100nF (schematic designator C43)
C43C "100nF 50V" 0603 2102.36,2889.76 r90 bottom value=100nF (schematic designator C43)
C43D "100nF 50V" 0603 2240.75,4681.1 r180 bottom value=100nF (schematic designator C43)
C43E "100nF 50V" 0603 2433.07,2370.08 r180 bottom value=100nF (schematic designator C43)
C44A "100nF 50V" 0603 2919.86,3261.54 r180 bottom value=100nF (schematic designator C44)
C44B "100nF 50V" 0603 2885.83,3125.98 r90 top value=100nF (schematic designator C44)
C44C "100nF 50V" 0603 3145.67,2771.65 r270 top value=100nF (schematic designator C44)
C44D "100nF 50V" 0603 4400.61,5678.89 r90 top value=100nF (schematic designator C44)
C45A "100nF 50V" 0603 2914.86,2921.54 r180 bottom value=100nF (schematic designator C45)
C45B "100nF 50V" 0603 2914.86,3405.24 r180 top value=100nF (schematic designator C45)
C45C "100nF 50V" 0603 3149.61,2519.68 r90 top value=100nF (schematic designator C45)
C45D "100nF 50V" 0603 4572.61,5678.89 r90 top value=100nF (schematic designator C45)
C46A "2200pF 50V" 0603 1295.27,314.96 r180 bottom value=2200pF (schematic designator C46)
C46B "2200pF 50V" 0603 2673.23,307.09 r0 bottom value=2200pF (schematic designator C46)
C46C "2200pF 50V" 0603 2586.79,3562.53 r0 bottom value=2200pF (schematic designator C46)
C46D "2200pF 50V" 0603 801.5,4717.05 r270 bottom value=2200pF (schematic designator C46)
C46E "2200pF 50V" 0603 1377.95,2948.82 r180 bottom value=2200pF (schematic designator C46)
C47A "100nF 50V" 0603 1464.57,-15.75 r270 bottom value=100nF (schematic designator C47)
C47B "100nF 50V" 0603 2503.94,637.79 r90 bottom value=100nF (schematic designator C47)
C47C "100nF 50V" 0603 2417.32,3897.64 r90 bottom value=100nF (schematic designator C47)
C47D "100nF 50V" 0603 1132.2,4886.34 r0 bottom value=100nF (schematic designator C47)
C47E "100nF 50V" 0603 1547.25,2618.11 r270 bottom value=100nF (schematic designator C47)
C48A "100nF 50V" 0603 1389.76,74.8 r0 bottom value=100nF (schematic designator C48)
C48B "100nF 50V" 0603 2578.74,547.24 r180 bottom value=100nF (schematic designator C48)
C48C "100nF 50V" 0603 2492.13,3807.09 r180 bottom value=100nF (schematic designator C48)
C48D "100nF 50V" 0603 1041.65,4811.54 r90 bottom value=100nF (schematic designator C48)
C48E "100nF 50V" 0603 1472.44,2708.66 r0 bottom value=100nF (schematic designator C48)
C49A "2200pF 50V" 0603 1287.4,74.8 r180 bottom value=2200pF (schematic designator C49)
C49B "2200pF 50V" 0603 2681.1,547.24 r0 bottom value=2200pF (schematic designator C49)
C49C "2200pF 50V" 0603 2594.49,3807.09 r0 bottom value=2200pF (schematic designator C49)
C49D "2200pF 50V" 0603 1041.65,4709.18 r270 bottom value=2200pF (schematic designator C49)
C49E "2200pF 50V" 0603 1370.08,2708.66 r180 bottom value=2200pF (schematic designator C49)
C50A "100nF 50V" 0603 1464.57,224.41 r270 bottom value=100nF (schematic designator C50)
C50B "100nF 50V" 0603 2503.94,397.64 r90 bottom value=100nF (schematic designator C50)
C50C "100nF 50V" 0603 2417.32,3657.48 r90 bottom value=100nF (schematic designator C50)
C50D "100nF 50V" 0603 892.05,4886.34 r0 bottom value=100nF (schematic designator C50)
C50E "100nF 50V" 0603 1547.25,2858.27 r270 bottom value=100nF (schematic designator C50)
C51A "100nF 50V" 0603 1401.58,314.96 r0 bottom value=100nF (schematic designator C51)
C51B "100nF 50V" 0603 2566.93,307.09 r180 bottom value=100nF (schematic designator C51)
C51C "100nF 50V" 0603 2481.86,3561.32 r180 bottom value=100nF (schematic designator C51)
C51D "100nF 50V" 0603 801.5,4823.35 r90 bottom value=100nF (schematic designator C51)
C51E "100nF 50V" 0603 1484.25,2948.82 r0 bottom value=100nF (schematic designator C51)
C52 "100nF 50V" 0603 1114.17,2830.71 r270 bottom value=100nF
C53 "100nF 50V" 0603 850.39,2767.72 r0 bottom value=100nF
C54 "1000pF 50V" 0603 751.19,2767.88 r180 bottom value=1000pF
C55 "1000pF 50V" 0603 751.32,2720.56 r180 bottom value=1000pF
C56 "1000pF 50V" 0603 850.39,2720.47 r0 bottom value=1000pF
C57 "4.7uF 16V" 0603 850.04,3257.66 r180 bottom value=4.7uF
C58 "100nF 50V" 0603 850.39,3212.6 r180 bottom value=100nF
C59 "100nF 50V" 0603 842.52,3338.58 r90 bottom value=100nF
C60 "100nF 50V" 0603 964.57,2952.76 r270 bottom value=100nF
C61 "100nF 50V" 0603 1110.24,3153.54 r0 bottom value=100nF
C62 "4.7uF 16V" 0603 1125.98,3413.39 r180 bottom value=4.7uF
C63 "470nF 50V" 0603 1082.68,3460.63 r180 bottom value=470nF
C64 "100nF 50V" 0603 885.83,3377.95 r90 bottom value=100nF
C65 "100nF 50V" 0603 1051.18,3377.95 r90 bottom value=100nF
C66 "100nF 50V" 0603 1110.24,3287.4 r0 bottom value=100nF
C67 "100nF 50V" 0603 1110.24,3102.36 r0 bottom value=100nF
C68 "100nF 50V" 0603 1055.12,2956.69 r270 bottom value=100nF
C69 "100nF 50V" 0603 921.26,2952.76 r270 bottom value=100nF
C70A "100nF 50V" 0603 5018.61,95.89 r90 top value=100nF (schematic designator C70)
C70B "100nF 50V" 0603 5018.61,253.89 r90 top value=100nF (schematic designator C70)
C70C "100nF 50V" 0603 5018.61,411.89 r90 top value=100nF (schematic designator C70)
C70D "100nF 50V" 0603 5018.61,569.89 r90 top value=100nF (schematic designator C70)
C70E "100nF 50V" 0603 5018.61,727.89 r90 top value=100nF (schematic designator C70)
C71 "100nF 50V" 0603 5514.61,-398.11 r0 top value=100nF
C72 "100nF 50V" 0603 5225.61,-398.11 r0 top value=100nF
C73 "100nF 50V" 0603 5369.61,-398.11 r0 top value=100nF
C74A "330pF 16V" 0603 4056.61,2777.89 r90 top value=330pF (schematic designator C74)
C74B "330pF 16V" 0603 4056.61,2932.89 r90 top value=330pF (schematic designator C74)
C74C "330pF 16V" 0603 4056.61,3087.89 r90 top value=330pF (schematic designator C74)
C74D "330pF 16V" 0603 4056.61,3242.89 r90 top value=330pF (schematic designator C74)
C74E "330pF 16V" 0603 4056.61,3397.89 r90 top value=330pF (schematic designator C74)
C74F "330pF 16V" 0603 4056.61,3552.89 r90 top value=330pF (schematic designator C74)
C74G "330pF 16V" 0603 4056.61,3707.89 r90 top value=330pF (schematic designator C74)
C74H "330pF 16V" 0603 4056.61,3862.89 r90 top value=330pF (schematic designator C74)
C74I "330pF 16V" 0603 4056.61,4017.89 r90 top value=330pF (schematic designator C74)
C74J "330pF 16V" 0603 4056.61,4172.89 r90 top value=330pF (schematic designator C74)
C74K "330pF 16V" 0603 4056.61,4327.89 r90 top value=330pF (schematic designator C74)
D1 "TVS" "DO-214AC, SMA" 1803.15,5070.87 r90 top
D2A "0603 2V" "0603 - LED" -565.75,1196.07 r270 top (schematic designator D2)
D2B "0603 2V" "0603 - LED" 5284.97,3615.1 r90 top (schematic designator D2)
D2C "0603 2V" "0603 - LED" 3039.37,4517.72 r270 top (schematic designator D2)
D2D "0603 2V" "0603 - LED" 803.15,4501.97 r270 top (schematic designator D2)
D3A "TVS" "DO-214AC, SMA" 2514,-332 r90 top (schematic designator D3)
D3B "TVS" "DO-214AC, SMA" 2502.87,750.9 r270 top (schematic designator D3)
D3C "TVS" "DO-214AC, SMA" 1472.44,3645.67 r90 top (schematic designator D3)
D3D "TVS" "DO-214AC, SMA" 1484.84,4051.18 r180 top (schematic designator D3)
D3E "TVS" "DO-214AC, SMA" 1677.16,1740.16 r180 top (schematic designator D3)
D4A "TVS" "DO-214AC, SMA" 2181.41,-458.16 r180 top (schematic designator D4)
D4B "TVS" "DO-214AC, SMA" 2173.54,620.58 r0 top (schematic designator D4)
D4C "TVS" "DO-214AC, SMA" 1801.77,3775.99 r180 top (schematic designator D4)
D4D "TVS" "DO-214AC, SMA" 1354.53,4380.51 r270 top (schematic designator D4)
D4E "TVS" "DO-214AC, SMA" 1546.85,2069.49 r270 top (schematic designator D4)
D5A "TVS" "DO-214AC, SMA" 1589.48,-249.1 r90 top (schematic designator D5)
D5B "TVS" "DO-214AC, SMA" 1581.61,829.64 r270 top (schematic designator D5)
D5C "TVS" "DO-214AC, SMA" 2393.7,3566.93 r90 top (schematic designator D5)
D5D "TVS" "DO-214AC, SMA" 1563.58,4972.44 r180 top (schematic designator D5)
D5E "TVS" "DO-214AC, SMA" 1755.9,2661.42 r180 top (schematic designator D5)
D6A "0603 2V" "0603 - LED2" 1636.79,418.89 r270 top (schematic designator D6)
D6B "0603 2V" "0603 - LED2" 1614.92,1392.63 r270 top (schematic designator D6)
D6C "0603 2V" "0603 - LED2" 2360.39,3003.94 r90 top (schematic designator D6)
D6D "0603 2V" "0603 - LED2" 2126.57,4939.13 r180 top (schematic designator D6)
D6E "0603 2V" "0603 - LED2" 2318.9,2628.11 r180 top (schematic designator D6)
D7 "0603 2V" "0603 - LED" 775.59,3423.23 r270 top
D8 "0603 2V" "0603 - LED" 4307.61,-598.11 r90 top
D9 "0603 2V" "0603 - LED" 4195.61,-598.11 r90 top
D10 "0603 2V" "0603 - LED" 4058.61,-598.11 r90 top
FB1A "600R/1A" 0603 -726.71,1545.55 r270 top value="600R/1A @ 100 MHz" (schematic designator FB1)
FB1B "600R/1A" 0603 5001.5,4207.62 r90 bottom value="600R/1A @ 100 MHz" (schematic designator FB1)
FB1C "600R/1A" 0603 3322.83,3925.2 r270 bottom value="600R/1A @ 100 MHz" (schematic designator FB1)
FB1D "600R/1A" 0603 1086.61,3909.45 r270 bottom value="600R/1A @ 100 MHz" (schematic designator FB1)
FB2 "600R/1A" 0603 1059.06,2830.71 r270 bottom value="600R/1A @ 100 MHz"
J1 "BM15B-ZESS-TBT(LF)(SN)" "JST ZE SMT 15POS" 3387.6,2993.86 r90 top
J2 "8A Molex" MOLEX_0430451012 2078.74,5271.65 r180 top
J3A "39299044" 39299044 968.5,-153.54 r147.95 top (schematic designator J3)
J3B "39299044" 39299044 2913.62,-62.61 r180 top (schematic designator J3)
J3C "39299044" 39299044 3106.73,4756.34 r315 top (schematic designator J3)
J3D "39299044" 39299044 1172.39,5105.61 r32.05 top (schematic designator J3)
J4A "43045-0628" 430450628 -1061.89,169.22 r90 top (schematic designator J4)
J4B "43045-0628" 430450628 3716.54,877.95 r270 top (schematic designator J4)
J4C "43045-0628" 430450628 3696.85,3795.28 r270 top (schematic designator J4)
J4D "43045-0628" 430450628 299.21,4358.27 r90 top (schematic designator J4)
J5A "S5B-ZR-SM4A-TF (LF) (SN)" JST_S5B-ZR-SM4A-TF -1000.04,780.99 r147.95 top (schematic designator J5)
J5B "S5B-ZR-SM4A-TF (LF) (SN)" JST_S5B-ZR-SM4A-TF 3699.5,491.56 r225 top (schematic designator J5)
J5C "S5B-ZR-SM4A-TF (LF) (SN)" JST_S5B-ZR-SM4A-TF 3500.71,4542.6 r315 top (schematic designator J5)
J5D "S5B-ZR-SM4A-TF (LF) (SN)" JST_S5B-ZR-SM4A-TF 341.95,4667.87 r33.05 top (schematic designator J5)
J6 "39299044" 39299044 362.18,1776.39 r90 top
J7 "43045-0628" 430450628 287.4,2751.97 r90 top
J8A "SM04B-SURS-TF(LF)(SN)" SM04B-SURS-TF(LF)(SN) 315.05,-77.51 r147.95 bottom (schematic designator J8)
J8B "SM04B-SURS-TF(LF)(SN)" SM04B-SURS-TF(LF)(SN) 4127.61,-179.11 r90 top (schematic designator J8)
J8C "SM04B-SURS-TF(LF)(SN)" SM04B-SURS-TF(LF)(SN) 4127.61,155.89 r90 top (schematic designator J8)
J8D "SM04B-SURS-TF(LF)(SN)" SM04B-SURS-TF(LF)(SN) 4127.61,490.89 r90 top (schematic designator J8)
L1 "22 UH" "EATON _HCM1A1307V2-220-R" 940.94,1602.36 r180 top value="22 uH"
L2 "22 UH" "EATON _HCM1A1307V2-220-R" 937.01,1956.69 r180 bottom value="22 uH"
L3 "22 UH" "EATON _HCM1A1307V2-220-R" 933.07,2307.09 r180 top value="22 uH"
M1 "c556h362" "Mounting Hole c556h362" 601.2,197.54 r0 top
M2 "c556h362" "Mounting Hole c556h362" 2884.66,197.54 r0 top
M3 "c556h362" "Mounting Hole c556h362" 2884.66,3583.36 r0 top
M4 "c556h362" "Mounting Hole c556h362" 601.2,3583.36 r0 top
NT1A "NetTie" NET_TIE-30 2517,-454 r270 bottom net-tie (schematic designator NT1)
NT1B "NetTie" NET_TIE-30 4917.61,2171.89 r90 top net-tie (schematic designator NT1)
NT1C "NetTie" NET_TIE-30 4917.61,2327.89 r90 top net-tie (schematic designator NT1)
NT1D "NetTie" NET_TIE-30 4917.61,2483.89 r90 top net-tie (schematic designator NT1)
NT1E "NetTie" NET_TIE-30 4915,2631 r90 top net-tie (schematic designator NT1)
NT2A "NetTie" NET_TIE-30 1547,-265 r180 bottom net-tie (schematic designator NT2)
NT2B "NetTie" NET_TIE-30 4410.61,2171.89 r90 top net-tie (schematic designator NT2)
NT2C "NetTie" NET_TIE-30 4410.61,2327.89 r90 top net-tie (schematic designator NT2)
NT2D "NetTie" NET_TIE-30 4410.61,2483.89 r90 top net-tie (schematic designator NT2)
NT2E "NetTie" NET_TIE-30 4410.61,2639.89 r90 top net-tie (schematic designator NT2)
Q1A "N-CH Dual SW Node" 12-PowerWQFN 2470.39,-31.38 r270 top (schematic designator Q1)
Q1B "N-CH Dual SW Node" 12-PowerWQFN 2462.51,1047.36 r270 top (schematic designator Q1)